# Altium PCB Proyecto_0-Buck_Up.PcbDoc (part 2 of 5)
Units mil, origin at the board's own origin, x right, y up, seen from the top; angles counter-clockwise.
Board outline 2559.06 x 1771.65 mil, 10 copper layers (TOP, GND[1], VDD[1], Signal[1], GND[2], VDD[2], Signal[2], GND[3], VDD[3], Bottom Layer), stack 79.883 mil thick; 191 components, 257 nets, 1114 pads, 633 vias.
Unrouted connection lines stored in the file: 488.
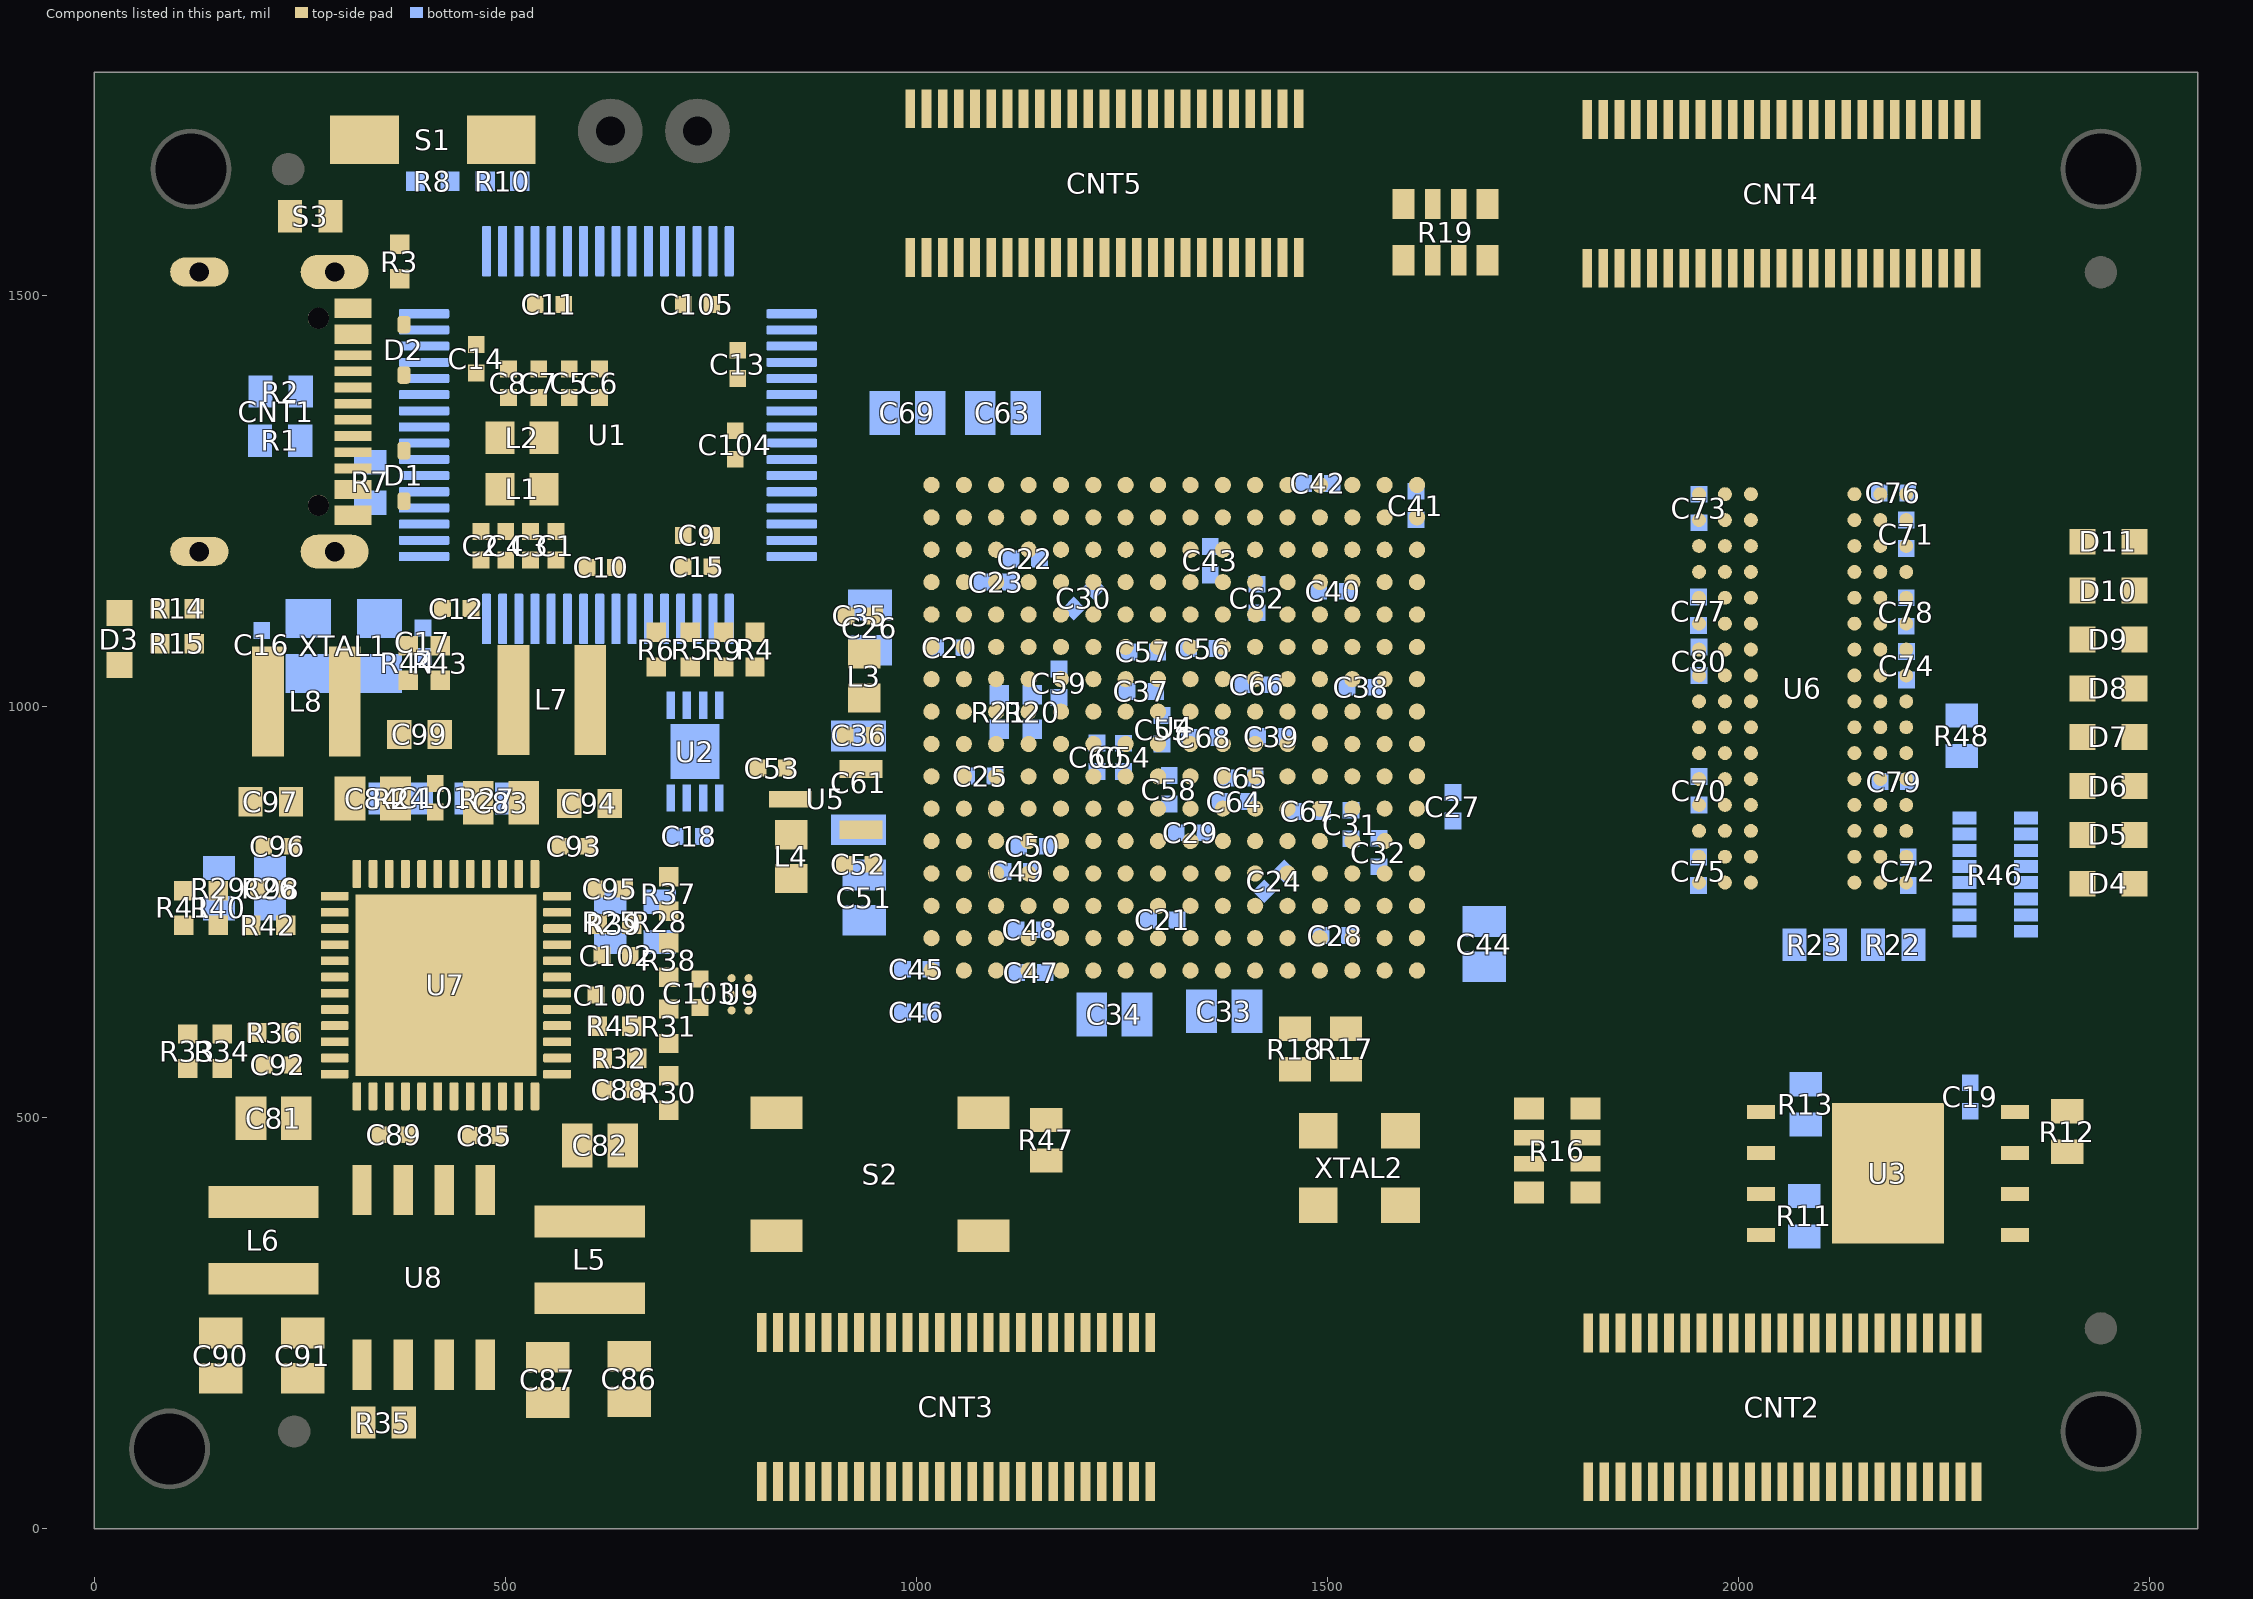
[diagram p10: the components of this part, seen from the top]

## Design rules (kind name [scope] priority, off if disabled: settings) (continued)
MaxMinImpedance "Schematic Impedance Constraint_92" [InNetClass('EEPROM_SIGNALS')] p12: minimum=45,00 maximum=55,00
MaxMinImpedance "Schematic Impedance Constraint_79" [InNetClass('FLASH_SPI')] p13: minimum=45,00 maximum=55,00
MaxMinImpedance "Schematic Impedance Constraint_7" [InNet('ADC_IN_P')] p14: minimum=95,00 maximum=105,0
MaxMinImpedance "Schematic Impedance Constraint_68" [InNet('L17_P')] p15: minimum=95,00 maximum=105,0
MaxMinImpedance "Schematic Impedance Constraint_67" [InNet('L14_P')] p16: minimum=95,00 maximum=105,0
MaxMinImpedance "Schematic Impedance Constraint_66" [InNet('L24_P')] p17: minimum=95,00 maximum=105,0
MaxMinImpedance "Schematic Impedance Constraint_65" [InNet('L17_N')] p18: minimum=95,00 maximum=105,0
MaxMinImpedance "Schematic Impedance Constraint_64" [InNet('L11_P')] p19: minimum=95,00 maximum=105,0
MaxMinImpedance "Schematic Impedance Constraint_63" [InNet('L21_P')] p20: minimum=95,00 maximum=105,0
MaxMinImpedance "Schematic Impedance Constraint_62" [InNet('L4_N')] p21: minimum=95,00 maximum=105,0
MaxMinImpedance "Schematic Impedance Constraint_61" [InNet('L4_P')] p22: minimum=95,00 maximum=105,0
MaxMinImpedance "Schematic Impedance Constraint_60" [InNet('L6_N')] p23: minimum=95,00 maximum=105,0
MaxMinImpedance "Schematic Impedance Constraint_59" [InNet('L6_P')] p24: minimum=95,00 maximum=105,0
MaxMinImpedance "Schematic Impedance Constraint_58" [InNet('CK_P')] p25: minimum=95,00 maximum=105,0
MaxMinImpedance "Schematic Impedance Constraint_57" [InNet('CK_N')] p26: minimum=95,00 maximum=105,0
MaxMinImpedance "Schematic Impedance Constraint_56" [InNet('AD4_P')] p27: minimum=95,00 maximum=105,0
MaxMinImpedance "Schematic Impedance Constraint_55" [InNet('AD4_N')] p28: minimum=95,00 maximum=105,0
MaxMinImpedance "Schematic Impedance Constraint_54" [InNet('L19_P')] p29: minimum=95,00 maximum=105,0
MaxMinImpedance "Schematic Impedance Constraint_53" [InNet('L11_N')] p30: minimum=95,00 maximum=105,0
MaxMinImpedance "Schematic Impedance Constraint_52" [InNet('L21_N')] p31: minimum=95,00 maximum=105,0
MaxMinImpedance "Schematic Impedance Constraint_51" [InNet('L19_N')] p32: minimum=95,00 maximum=105,0
MaxMinImpedance "Schematic Impedance Constraint_50" [InNet('LDQS_N')] p33: minimum=95,00 maximum=105,0
MaxMinImpedance "Schematic Impedance Constraint_49" [InNet('LDQS_P')] p34: minimum=95,00 maximum=105,0
MaxMinImpedance "Schematic Impedance Constraint_48" [InNet('L15_N')] p35: minimum=95,00 maximum=105,0
MaxMinImpedance "Schematic Impedance Constraint_46" [InNet('L12_P')] p36: minimum=95,00 maximum=105,0
MaxMinImpedance "Schematic Impedance Constraint_45" [InNet('L22_P')] p37: minimum=95,00 maximum=105,0
MaxMinImpedance "Schematic Impedance Constraint_44" [InNet('AD15_N')] p38: minimum=95,00 maximum=105,0
MaxMinImpedance "Schematic Impedance Constraint_43" [InNet('AD15_P')] p39: minimum=95,00 maximum=105,0
MaxMinImpedance "Schematic Impedance Constraint_42" [InNet('AD14_N')] p40: minimum=95,00 maximum=105,0
MaxMinImpedance "Schematic Impedance Constraint_41" [InNet('AD14_P')] p41: minimum=95,00 maximum=105,0
MaxMinImpedance "Schematic Impedance Constraint_40" [InNet('AD13_N')] p42: minimum=95,00 maximum=105,0
MaxMinImpedance "Schematic Impedance Constraint_39" [InNet('AD13_P')] p43: minimum=95,00 maximum=105,0
MaxMinImpedance "Schematic Impedance Constraint_38" [InNet('AD12_N')] p44: minimum=95,00 maximum=105,0
MaxMinImpedance "Schematic Impedance Constraint_37" [InNet('AD12_P')] p45: minimum=95,00 maximum=105,0
MaxMinImpedance "Schematic Impedance Constraint_36" [InNet('L15_P')] p46: minimum=95,00 maximum=105,0
MaxMinImpedance "Schematic Impedance Constraint_35" [InNet('ADC_IN_N')] p47: minimum=95,00 maximum=105,0
MaxMinImpedance "Schematic Impedance Constraint_34" [InNet('AD5_P')] p48: minimum=95,00 maximum=105,0
MaxMinImpedance "Schematic Impedance Constraint_33" [InNet('L12_N')] p49: minimum=95,00 maximum=105,0
MaxMinImpedance "Schematic Impedance Constraint_32" [InNet('L22_N')] p50: minimum=95,00 maximum=105,0
MaxMinImpedance "Schematic Impedance Constraint_31" [InNet('AD5_N')] p51: minimum=95,00 maximum=105,0
MaxMinImpedance "Schematic Impedance Constraint_30" [InNet('AD7_P')] p52: minimum=95,00 maximum=105,0
MaxMinImpedance "Schematic Impedance Constraint_29" [InNet('L16_P')] p53: minimum=95,00 maximum=105,0
MaxMinImpedance "Schematic Impedance Constraint_27" [InNet('L13_P')] p54: minimum=95,00 maximum=105,0
MaxMinImpedance "Schematic Impedance Constraint_26" [InNet('L23_P')] p55: minimum=95,00 maximum=105,0
MaxMinImpedance "Schematic Impedance Constraint_25" [InNet('L16_N')] p56: minimum=95,00 maximum=105,0
MaxMinImpedance "Schematic Impedance Constraint_23" [InNet('L20_P')] p57: minimum=95,00 maximum=105,0
MaxMinImpedance "Schematic Impedance Constraint_22" [InNet('AD6_P')] p58: minimum=95,00 maximum=105,0
MaxMinImpedance "Schematic Impedance Constraint_21" [InNet('AD7_N')] p59: minimum=95,00 maximum=105,0
MaxMinImpedance "Schematic Impedance Constraint_20" [InNet('L18_P')] p60: minimum=95,00 maximum=105,0
MaxMinImpedance "Schematic Impedance Constraint_19" [InNet('L20_N')] p61: minimum=95,00 maximum=105,0
MaxMinImpedance "Schematic Impedance Constraint_18" [InNet('L18_N')] p62: minimum=95,00 maximum=105,0
MaxMinImpedance "Schematic Impedance Constraint_17" [InNet('L14_N')] p63: minimum=95,00 maximum=105,0
MaxMinImpedance "Schematic Impedance Constraint_16" [InNet('L24_N')] p64: minimum=95,00 maximum=105,0
MaxMinImpedance "Schematic Impedance Constraint_15" [InNet('AD6_N')] p65: minimum=95,00 maximum=105,0
MaxMinImpedance "Schematic Impedance Constraint_14" [InNet('UDQS_N')] p66: minimum=95,00 maximum=105,0
MaxMinImpedance "Schematic Impedance Constraint_13" [InNet('UDQS_P')] p67: minimum=95,00 maximum=105,0
MaxMinImpedance "Schematic Impedance Constraint_12" [InNet('L13_N')] p68: minimum=95,00 maximum=105,0
MaxMinImpedance "Schematic Impedance Constraint_11" [InNet('L23_N')] p69: minimum=95,00 maximum=105,0
MaxMinImpedance "Schematic Impedance Constraint_10" [InNet('USB_DATA_N')] p70: minimum=85,00 maximum=95,00
MaxMinImpedance DDR_DATA(8-15) [InNetClass('DDR_DATA(8-15)')] p71: minimum=45,00 maximum=55,00
MaxMinImpedance DDR_DATA(0-7) [InNetClass('DDR_DATA(0-7)')] p72: minimum=45,00 maximum=55,00
MaxMinImpedance DDR_CTRL [InNetClass('DDR_CTRL')] p73: minimum=45,00 maximum=55,00
MaxMinImpedance DDR_ADD/CMD [InNetClass('DDR_ADD/CMD')] p74: minimum=45,00 maximum=55,00
MaximumViaCount "Schematic Maximum Via Count Constraint" [InNetClass('DDR_CTRL')] p1: limit=2
MaximumViaCount "Schematic Maximum Via Count Constraint_54" [InNetClass('DDR_DATA(8-15)')] p2: limit=2
MaximumViaCount "Schematic Maximum Via Count Constraint_49" [InNetClass('DDR_ADD/CMD')] p3: limit=2
MaximumViaCount "Schematic Maximum Via Count Constraint_47" [InNetClass('DDR_DATA(0-7)')] p4: limit=2
MaximumViaCount "Schematic Maximum Via Count Constraint_46" [InNetClass('FLASH_SPI')] p5: limit=2
MaximumViaCount "Schematic Maximum Via Count Constraint_10" [InNet('UDQS_N')] p6: limit=2
MaximumViaCount "Schematic Maximum Via Count Constraint_9" [InNet('UDQS_P')] p7: limit=2
MaximumViaCount "Schematic Maximum Via Count Constraint_6" [InNet('LDQS_N')] p8: limit=2
MaximumViaCount "Schematic Maximum Via Count Constraint_5" [InNet('LDQS_P')] p9: limit=2
MaximumViaCount "Schematic Maximum Via Count Constraint_3" [InNet('CK_P')] p10: limit=2
MaximumViaCount "Schematic Maximum Via Count Constraint_2" [InNet('CK_N')] p11: limit=2
MinimumAnnularRing [All] p1: minimumring=78.74
PasteMaskExpansion [All] p1: expansion=2
PermittedLayers "Schematic Permitted Layers Rule_5" [InNetClass('FLASH_SPI')] p1: toplayerpermitted=FALSE bottomlayerpermitted=FALSE
PlaneClearance [All] p1: clearance=6
PlaneConnect [All] p1: planeconnectstyle=Direct reliefexpansion=20 reliefentries=4 reliefconductorwidth=10 reliefairgap=10
PolygonConnect [All] p1: connectstyle=Direct reliefconductorwidth=5 reliefentries=4 polygonreliefangle="90 Angle" airgapwidth=0
RoomDefinition U_USB_Port_FTT [InComponentClass('U_USB_Port_FTT')] p1: confinementstyle=ConfineIn formatcopy=TRUE lockcomponents=FALSE outline -1181.1,-3149.61 818.9,-3149.61 818.9,-2149.61 -1181.1,-2149.61
RoomDefinition U_Power_Supply [InComponentClass('U_Power_Supply')] p2: confinementstyle=ConfineIn formatcopy=TRUE lockcomponents=FALSE outline -1181.1,-3149.61 818.9,-3149.61 818.9,-2149.61 -1181.1,-2149.61
RoomDefinition U_Leds_and_Buttons [InComponentClass('U_Leds_and_Buttons')] p3: confinementstyle=ConfineIn formatcopy=TRUE lockcomponents=FALSE outline -1181.1,-3149.61 818.9,-3149.61 818.9,-2149.61 -1181.1,-2149.61
RoomDefinition U_FPGA_Power&Ports [InComponentClass('U_FPGA_Power&Ports')] p4: confinementstyle=ConfineIn formatcopy=TRUE lockcomponents=FALSE outline -1181.1,-3149.61 818.9,-3149.61 818.9,-2149.61 -1181.1,-2149.61
RoomDefinition U_Flash_Memory [InComponentClass('U_Flash_Memory')] p5: confinementstyle=ConfineIn formatcopy=TRUE lockcomponents=FALSE outline -1181.1,-3149.61 818.9,-3149.61 818.9,-2149.61 -1181.1,-2149.61
RoomDefinition U_DDR_Memory [InComponentClass('U_DDR_Memory')] p6: confinementstyle=ConfineIn formatcopy=TRUE lockcomponents=FALSE outline -1181.1,-3149.61 818.9,-3149.61 818.9,-2149.61 -1181.1,-2149.61
RoomDefinition U_Bank_A-B-C-D [InComponentClass('U_Bank_A-B-C-D')] p7: confinementstyle=ConfineIn formatcopy=TRUE lockcomponents=FALSE outline -1181.1,-3149.61 818.9,-3149.61 818.9,-2149.61 -1181.1,-2149.61
RoutingCorners "Schematic Routing Corners_1" [InNet('USB_DATA_P')] p1: cornerstyle=45-Degree minsetback=100 maxsetback=100
RoutingCorners "Schematic Routing Corners" [InNet('USB_DATA_N')] p2: cornerstyle=45-Degree minsetback=100 maxsetback=100
RoutingCorners [All] p3: cornerstyle=45-Degree minsetback=100 maxsetback=100
RoutingPriority [InNetClass('ADD[14..0]')] p1: routingpriority=0
RoutingVias Signal_vias [All] p1: holewidth=7.87 width=11.81 viastyle="Through Hole" minholewidth=7.87 minwidth=11.81 maxholewidth=7.87 maxwidth=11.81
SolderMaskExpansion [All] p1: expansion=2 istentingtop=FALSE soldermaskfromhole=TRUE
UnpouredPolygon [All] p1: allowshelved=TRUE
Width "Schematic Width Constraint_2" [InNetClass('FPGA_CONFIG_SIGNALS_1')] p1: maxlimit=7 minlimit=6 preferedwidth=7 toplayer_minwidth=7 midlayer2_maxwidth=6 midlayer2_prefwidth=6 midlayer6_maxwidth=6 midlayer6_prefwidth=6 bottomlayer_minwidth=7 impedanceprofiledriven=TRUE impedanceprofileid={713964CD-7AE4-42B9-9263-9FE57CD8E892} impedanceprofilevalue=50.000000 minimp=50.000000 maximp=50.000000 favimp=50.000000
Width "Schematic Width Constraint_1" [InNetClass('FPGA_CONFIG_SIGNALS_2')] p2: maxlimit=7 minlimit=6 preferedwidth=7 toplayer_minwidth=7 midlayer2_maxwidth=6 midlayer2_prefwidth=6 midlayer6_maxwidth=6 midlayer6_prefwidth=6 bottomlayer_minwidth=7 impedanceprofiledriven=TRUE impedanceprofileid={713964CD-7AE4-42B9-9263-9FE57CD8E892} impedanceprofilevalue=50.000000 minimp=50.000000 maximp=50.000000 favimp=50.000000
Width "Schematic Width Constraint" [InNetClass('DDR_CTRL')] p3: maxlimit=7 minlimit=6 preferedwidth=7 toplayer_minwidth=7 midlayer2_maxwidth=6 midlayer2_prefwidth=6 midlayer6_maxwidth=6 midlayer6_prefwidth=6 bottomlayer_minwidth=7 impedanceprofiledriven=TRUE impedanceprofileid={713964CD-7AE4-42B9-9263-9FE57CD8E892} impedanceprofilevalue=50.000000 minimp=50.000000 maximp=50.000000 favimp=50.000000
Width LEDs [InNetClass('LEDs')] p4: maxlimit=6 minlimit=6 preferedwidth=6
Width Return_connection [InNetClass('Return_connection')] p5: maxlimit=17 minlimit=10 preferedwidth=15
Width Supply_Lines [InNetClass('Supply_Lines')] p6: maxlimit=15 minlimit=7 preferedwidth=10
Width DDR3_DATA_8-15 [InNetClass('DDR_DATA(8-15)')] p7: maxlimit=7 minlimit=6 preferedwidth=7 toplayer_minwidth=7 midlayer2_maxwidth=6 midlayer2_prefwidth=6 midlayer6_maxwidth=6 midlayer6_prefwidth=6 bottomlayer_minwidth=7 impedanceprofiledriven=TRUE impedanceprofileid={713964CD-7AE4-42B9-9263-9FE57CD8E892} impedanceprofilevalue=50.000000 minimp=50.000000 maximp=50.000000 favimp=50.000000
Width FPGA_BANK_14 [InNetClass('FPGA_BANK14')] p8: maxlimit=7 minlimit=6 preferedwidth=7 toplayer_minwidth=7 midlayer2_maxwidth=6 midlayer2_prefwidth=6 midlayer6_maxwidth=6 midlayer6_prefwidth=6 bottomlayer_minwidth=7 impedanceprofiledriven=TRUE impedanceprofileid={713964CD-7AE4-42B9-9263-9FE57CD8E892} impedanceprofilevalue=50.000000 minimp=50.000000 maximp=50.000000 favimp=50.000000
Width DDR3_ADD/CMD [InNetClass('DDR_ADD/CMD')] p9: maxlimit=7 minlimit=6 preferedwidth=7 toplayer_minwidth=7 midlayer2_maxwidth=6 midlayer2_prefwidth=6 midlayer6_maxwidth=6 midlayer6_prefwidth=6 bottomlayer_minwidth=7 impedanceprofiledriven=TRUE impedanceprofileid={713964CD-7AE4-42B9-9263-9FE57CD8E892} impedanceprofilevalue=50.000000 minimp=50.000000 maximp=50.000000 favimp=50.000000
Width FPGA_BANK_34 [InNetClass('FPGA_BANK34')] p10: maxlimit=7 minlimit=6 preferedwidth=7 toplayer_minwidth=7 midlayer2_maxwidth=6 midlayer2_prefwidth=6 midlayer6_maxwidth=6 midlayer6_prefwidth=6 bottomlayer_minwidth=7 impedanceprofiledriven=TRUE impedanceprofileid={713964CD-7AE4-42B9-9263-9FE57CD8E892} impedanceprofilevalue=50.000000 minimp=50.000000 maximp=50.000000 favimp=50.000000
Width DDR3_DATA_0-7 [InNetClass('DDR_DATA(0-7)')] p11: maxlimit=7 minlimit=6 preferedwidth=7 toplayer_minwidth=7 midlayer2_maxwidth=6 midlayer2_prefwidth=6 midlayer6_maxwidth=6 midlayer6_prefwidth=6 bottomlayer_minwidth=7 impedanceprofiledriven=TRUE impedanceprofileid={713964CD-7AE4-42B9-9263-9FE57CD8E892} impedanceprofilevalue=50.000000 minimp=50.000000 maximp=50.000000 favimp=50.000000
Width FPGA_UART [InNetClass('FPGA_UART_SIGNALS')] p12: maxlimit=7 minlimit=6 preferedwidth=7 toplayer_minwidth=7 midlayer2_maxwidth=6 midlayer2_prefwidth=6 midlayer6_maxwidth=6 midlayer6_prefwidth=6 bottomlayer_minwidth=7 impedanceprofiledriven=TRUE impedanceprofileid={713964CD-7AE4-42B9-9263-9FE57CD8E892} impedanceprofilevalue=50.000000 minimp=50.000000 maximp=50.000000 favimp=50.000000
Width FPGA_SPI [InNetClass('FLASH_SPI')] p13: maxlimit=7 minlimit=6 preferedwidth=7 toplayer_minwidth=7 midlayer2_maxwidth=6 midlayer2_prefwidth=6 midlayer6_maxwidth=6 midlayer6_prefwidth=6 bottomlayer_minwidth=7 impedanceprofiledriven=TRUE impedanceprofileid={713964CD-7AE4-42B9-9263-9FE57CD8E892} impedanceprofilevalue=50.000000 minimp=50.000000 maximp=50.000000 favimp=50.000000
Width EEPROM [InNetClass('EEPROM_SIGNALS')] p14: maxlimit=7 minlimit=6 preferedwidth=7 toplayer_minwidth=7 midlayer2_maxwidth=6 midlayer2_prefwidth=6 midlayer6_maxwidth=6 midlayer6_prefwidth=6 bottomlayer_minwidth=7 impedanceprofiledriven=TRUE impedanceprofileid={713964CD-7AE4-42B9-9263-9FE57CD8E892} impedanceprofilevalue=50.000000 minimp=50.000000 maximp=50.000000 favimp=50.000000
22 further rules are at their usual default settings.

## Classes and differential pairs
net class FPGA_CONFIG_SIGNALS_2: CONFIG_TCK_T CONFIG_TDI_T CONFIG_TMS_T
net class FPGA_CONFIG_SIGNALS_1: CONFIG_TCK CONFIG_TDI CONFIG_TDO CONFIG_TMS
differential pair class USB_DIFF: USB_DATA
differential pair class FPGA_PORT35_DIFF: AD4 AD5 AD6 AD7 AD12 AD13 AD14 AD15 L4 L6 L11 L12 L13 L14 L15 L16 L17 L18 L19 L20 L21 L22 L23 L24
differential pair class DDR_DATA_DIF: LDQS UDQS
differential pair class DDR_CK_DIFF: CK
differential pair class ADC_DIFF_UNFILTERED: IN_Filter_ADC
differential pair class ADC_DIFF_FILTERED: ADC_IN
net class FPGA_UART_SIGNALS: UART_RX UART_TX
net class FPGA_BANK34: L4 L5 M1 M2 M4 N1 N2 N3 N4 N5 P1 P3 P4 P5 R1 R2 R3 T2 T3 T4
net class FPGA_BANK14: E6 K5 N13 P13 R15 R16 T14 T15
net class FLASH_SPI: QSPI_\C\S\ QSPI_CCLK QSPI_DATA0 QSPI_DATA1 QSPI_DATA2 QSPI_DATA3
net class EEPROM_SIGNALS: EEPROM_CLK EEPROM_CS EEPROM_DATA
net class DDR_DATA(8-15): DQ8 DQ9 DQ10 DQ11 DQ12 DQ13 DQ14 DQ15
net class DDR_DATA(0-7): DQ0 DQ1 DQ2 DQ3 DQ4 DQ5 DQ6 DQ7
net class DDR_CTRL: C\S\ CKE D\D\R\_\R\E\S\E\T\ LDM ODT UDM
net class DDR_ADD/CMD: ADD0 ADD1 ADD2 ADD3 ADD4 ADD5 ADD6 ADD7 ADD8 ADD9 ADD10 ADD11 ADD12 ADD13 ADD14 BA0 BA1 BA2 C\A\S\ R\A\S\ W\E\
net class 100MHz: 100MHz
component class U_USB_Port_FTT: C1 C2 C3 C4 C5 C6 C7 C8 C9 C10 C11 C12 C13 C14 C15 C16 C17 C18 C104 C105 CNT1 D1 D2 L1 L2 R1 R2 R3 R4 R5 R6 R7 R8 R9 R10 S1 S3 U1 U2 XTAL1
component class U_Power_Supply: C81 C82 C83 C84 C85 C86 C87 C88 C89 C90 C91 C92 C93 C94 C95 C96 C97 C98 C99 C100 C101 C102 C103 L5 L6 L7 L8 R24 R25 R26 R27 R28 R29 R30 R31 R32 R33 R34 R35 R36 R37 R38 R39 R40 R41 R42 R43 R44 R45 U7 U8 U9
component class U_Leds_and_Buttons: D4 D5 D6 D7 D8 D9 D10 D11 R46 R47 S2
component class U_FPGA_Power&Ports: 2 C20 C21 C22 C23 C24 C25 C26 C27 C28 C29 C30 C31 C32 C33 C34 C35 C36 C37 C38 C39 C40 C41 C42 C43 C44 C45 C46 C47 C48 C49 C50 C51 C52 C53 C54 C55 C56 C57 C58 C59 C60 C61 C62 C63 C64 C65 C66 C67 C68 C69 D3 L3 L4 R14 R15 R16 R17 R18 R19 R20 R21 U4 U5 XTAL2
component class U_Flash_Memory: C19 R11 R12 R13 U3
component class U_DDR_Memory: C70 C71 C72 C73 C74 C75 C76 C77 C78 C79 C80 R22 R23 R48 U6
component class U_Bank_A-B-C-D: CNT2 CNT3 CNT4 CNT5 t
differential pair 12MHz_XTAL: +12MHz_XTAL_P -12MHz_XTAL_N
differential pair USB_DATA: +USB_DATA_P -USB_DATA_N
differential pair L24: +L24_P -L24_N
differential pair L23: +L23_P -L23_N
differential pair L22: +L22_P -L22_N
differential pair L21: +L21_P -L21_N
differential pair L20: +L20_P -L20_N
differential pair L19: +L19_P -L19_N
differential pair L18: +L18_P -L18_N
differential pair L17: +L17_P -L17_N
differential pair L16: +L16_P -L16_N
differential pair L15: +L15_P -L15_N
differential pair L14: +L14_P -L14_N
differential pair L13: +L13_P -L13_N
differential pair L12: +L12_P -L12_N
differential pair L11: +L11_P -L11_N
differential pair L6: +L6_P -L6_N
differential pair L4: +L4_P -L4_N
differential pair AD5: +AD5_P -AD5_N
differential pair AD4: +AD4_P -AD4_N
differential pair AD15: +AD15_P -AD15_N
differential pair AD14: +AD14_P -AD14_N
differential pair AD13: +AD13_P -AD13_N
differential pair AD12: +AD12_P -AD12_N
differential pair AD7: +AD7_P -AD7_N
differential pair AD6: +AD6_P -AD6_N
differential pair UDQS: +UDQS_P -UDQS_N
differential pair LDQS: +LDQS_P -LDQS_N
differential pair IN_Filter_ADC: +IN_Filter_ADC_P -IN_Filter_ADC_N
differential pair CK: +CK_P -CK_N
differential pair ADC_IN: +ADC_IN_P -ADC_IN_N

## Components (designator, comment, footprint, x,y, rotation, side; value= is the part's Value field where it differs from the comment)
C1 "0.47uF" CAP0402 561.76,1195.32 r90 top
C2 "0.47uF" CAP0402 470.76,1195.32 r90 top
C3 "4.7uF" CAP0402 530.76,1195.32 r90 top
C4 "4.7uF" CAP0402 500.76,1195.32 r90 top
C5 "0.47uF" CAP0402 578,1393 r270 top
C6 "0.47uF" CAP0402 615,1393 r270 top
C7 "4.7uF" CAP0402 541,1393 r270 top
C8 "4.7uF" CAP0402 504,1393 r270 top
C9 "3.3uF" CAP0402 734,1208 r180 top
C10 "0.1uF" CAP0402 617,1169 r0 top
C11 "0.1uF" CAP0402 554,1489 r180 top
C12 "0.47uF" CAP0402 441.02,1119.02 r0 top
C13 "0.1uF" CAP0402 783,1416 r270 top
C14 "0.1uF" CAP0402 465,1423 r270 top
C15 "0.1uF" CAP0402 734,1170 r0 top
C16 "27pF" CAP0402 204,1075 r270 bottom
C17 "27pF" CAP0402 400,1078 r90 bottom
C18 "0.47uF" CAP0402 724,842 r180 bottom
C19 "0.1uF" CAP0402 2282,525 r270 bottom
C20 "0.47uF" CAP0402 1040.73,1071.34 r180 bottom
C21 "0.47uF" CAP0402 1299.73,740.34 r180 bottom
C22 "0.47uF" CAP0402 1132.73,1179.34 r180 bottom
C23 "0.47uF" CAP0402 1097.35,1151.23 r0 bottom
C24 "4.7uF" CAP0402 1435.73,787.34 r225 bottom
C25 "4.7uF" CAP0402 1078.73,915.34 r180 bottom
C26 "47uF" CAP0805 943.73,1095.9 r270 bottom
C27 "0.47uF" CAP0402 1652.73,878.02 r270 bottom
C28 "0.47uF" CAP0402 1509.73,721.34 r0 bottom
C29 "0.47uF" CAP0402 1333.73,846.34 r180 bottom
C30 "0.47uF" CAP0402 1203.73,1131.34 r45 bottom
C31 "4.7uF" CAP0402 1528.73,856.34 r270 bottom
C32 "4.7uF" CAP0402 1562.73,822.34 r90 bottom
C33 "47uF" CAP0805 1374.73,629.34 r0 bottom
C34 "47uF" CAP0805 1241.17,625.34 r0 bottom
C35 "4.7uF" CAP0402 932,1110 r0 top
C36 "0.47uF" CAP0402 931,965 r0 top
C37 "0.1uF" CAP0402 1273.73,1018.34 r0 bottom
C38 "0.47uF" CAP0402 1541.41,1023.34 r0 bottom
C39 "0.47uF" CAP0402 1432.73,963.34 r0 bottom
C40 "0.47uF" CAP0402 1507,1140 r0 bottom
C41 "0.47uF" CAP0402 1607.73,1244.34 r90 bottom
C42 "4.7uF" CAP0402 1488.73,1271.34 r0 bottom
C43 "4.7uF" CAP0402 1357.73,1177.34 r90 bottom
C44 "47uF" CAP0805 1691,711 r90 bottom
C45 "0.47uF" CAP0402 1000.73,680.34 r0 bottom
C46 "0.47uF" CAP0402 1000.73,628.34 r0 bottom
C47 "0.47uF" CAP0402 1139.73,676.34 r180 bottom
C48 "0.47uF" CAP0402 1138.73,728.34 r180 bottom
C49 "4.7uF" CAP0402 1122.73,799.34 r180 bottom
C50 "4.7uF" CAP0402 1142,830 r180 bottom
C51 "47uF" CAP0805 937,767.44 r90 bottom
C52 "0.1uF" CAP0402 930.32,808 r0 top
C53 "10uF" CAP0402 825,925 r0 top
C54 "0.1uF" CAP0402 1252,938 r90 bottom
C55 "1nF" CAP0402 1299,971.68 r90 bottom
C56 "0.47uF" CAP0402 1348.73,1070.34 r0 bottom
C57 "0.47uF" CAP0402 1276.05,1066.34 r180 bottom
C58 "0.47uF" CAP0402 1307.73,898.67 r270 bottom
C59 "4.7uF" CAP0402 1173.73,1028.02 r90 bottom
C60 "4.7uF" CAP0402 1219.73,938.34 r90 bottom
C61 "100uF" CAP1206 930,907.09 r90 bottom
C62 "0.47uF" CAP0402 1414.73,1131.34 r90 bottom
C63 "47uF" CAP0805 1105.56,1357 r180 bottom
C64 "0.47uF" CAP0402 1387.05,884.34 r180 bottom
C65 "0.47uF" CAP0402 1395,913 r180 bottom
C66 "0.47uF" CAP0402 1414.73,1026.34 r180 bottom
C67 "4.7uF" CAP0402 1476.73,872.34 r180 bottom
C68 "4.7uF" CAP0402 1349.73,962.34 r0 bottom
C69 "47uF" CAP0805 989.44,1357 r0 bottom
C70 "0.47uF" CAP0402 1952.22,897.52 r270 bottom
C71 "0.47uF" CAP0402 2204.19,1209.33 r270 bottom
C72 "0.47uF" CAP0402 2206.7,799.67 r90 bottom
C73 "0.47uF" CAP0402 1952.22,1240.83 r90 bottom
C74 "0.47uF" CAP0402 2204.7,1049.67 r270 bottom
C75 "0.47uF" CAP0402 1951.7,799.67 r90 bottom
C76 "0.47uF" CAP0402 2188.7,1259.67 r180 bottom
C77 "0.47uF" CAP0402 1951.7,1115.67 r270 bottom
C78 "0.47uF" CAP0402 2204.19,1114.85 r90 bottom
C79 "1uF" CAP0402 2189.7,908.67 r180 bottom
C80 "10nF" CAP0402 1952.22,1055 r270 bottom
C81 "10uF" CAP0805 218.56,499 r0 top
C82 "10uF" CAP0805 615.44,466 r180 top
C83 "10uF" CAP0805 495,883 r180 top
C84 "10uF" CAP0805 339,888 r0 top
C85 "0.1uF" CAP0402 475,478 r0 top
C86 "47uF" CAP0805 651,182 r90 top
C87 "47uF" CAP0805 552,181 r90 top
C88 "2.7nF" CAP0402 639,534 r0 top value=2.2nF
C89 "0.1uF" CAP0402 365,479 r180 top
C90 "47uF" CAP0805 154,210.44 r90 top
C91 "47uF" CAP0805 254,210.44 r90 top
C92 "2.7nF" CAP0402 224,564 r180 top value=2.2nF
C93 "0.1uF" CAP0402 584,830 r0 top
C94 "22uF" CAP0603 602.61,882 r0 top
C95 "2.7nF" CAP0402 628,778 r0 top value=2.2nF
C96 "0.1uF" CAP0402 223.68,830 r180 top
C97 "22uF" CAP0603 215,884 r180 top
C98 "2.7nF" CAP0402 217,778 r180 top value=2.2nF
C99 "10uF" CAP0603 396,966 r0 top
C100 "1uF" CAP0402 628,649 r180 top
C101 "1uF" CAP0402 415,889 r270 top
C102 "1uF" CAP0402 635,697 r180 top
C103 "0.1uF" CAP0402 737,651 r90 top
C104 "0.1uF" CAP0402 780,1318 r270 top
C105 "0.1uF" CAP0402 734,1489 r0 top
CNT1 "USB-C" "USB-C 2.0 24 PINS (16+8 DUMMY)" 128.12,1358.37 r270 top
CNT2 "528850574" 528850574 2053.54,147.55 r0 top
CNT3 "528850574" 528850574 1048.48,148 r0 top
CNT4 "528850574" 528850574 2052.37,1623.45 r180 top
CNT5 "528850574" 528850574 1229.06,1636.45 r180 top
D1 "ESD321" SOD-523 377,1280.29 r270 top locked
D2 "ESD321" SOD-523 377,1433.71 r90 top locked
D3 "597-3305-607F" 0603_LED 31,1082 r270 top
D4 "597-3305-607F" 0603_LED 2450.15,784.32 r0 top
D5 "597-3305-607F" 0603_LED 2450.15,843.75 r0 top
D6 "597-3305-607F" 0603_LED 2450.15,903.18 r0 top
D7 "597-3305-607F" 0603_LED 2450.15,962.61 r0 top
D8 "597-3305-607F" 0603_LED 2450.15,1022.03 r0 top
D9 "597-3305-607F" 0603_LED 2450.15,1081.46 r0 top
D10 "597-3305-607F" 0603_LED 2450.15,1140.89 r0 top
D11 "597-3305-607F" 0603_LED 2450.15,1200.32 r0 top
L1 "HZ0603C651R-10" Fer0603 520.57,1264 r180 top
L2 "HZ0603C651R-10" Fer0603 520.57,1327 r180 top
L3 "HZ0603C651R-10" Fer0603 937,1037 r270 top
L4 "HZ0603C651R-10" Fer0603 848,817.43 r90 top
L5 "3.3uH" IND1616-2.1mm 603,327 r270 top
L6 "1.5uH" IND1616-2.1mm 206,350.65 r270 top
L7 "6.8uH" IND1616-3.1mm 557,1008 r0 top
L8 "3.3uH" IND1616-2.1mm 258.35,1006.26 r180 top
R1 "5.1 K" RES0603 226.39,1323 r180 bottom value="47 K"
R2 "5.1 K" RES0603 227,1383 r180 bottom value="47 K"
R3 "10k" RES0402 372,1541 r270 top
R4 "10k" RES0402 804,1069 r90 top
R5 "10k" RES0402 725,1069 r90 top
R6 "10k" RES0402 684,1069 r90 top
R7 "12 K" RES0603 336,1272.39 r90 bottom
R8 "4.7k" RES0402 412,1639 r180 bottom
R9 "2k" RES0402 766,1069 r90 top
R10 "10k" RES0402 497,1639 r180 bottom
R11 "4.7 k" RES0603 2080,380 r90 bottom
R12 "4.7 k" RES0603 2400,483 r270 top
R13 "4.7 k" RES0603 2082,516 r270 bottom
R14 "200" RES0402 101,1119 r180 top
R15 "165" RES0402 101,1076 r180 top
R16 "100" ArrayResistor-1206 1778.75,458.75 r180 top value="100 Ohms"
R17 "4.7 k" RES0603 1522.73,583.34 r90 top
R18 "4.7 k" RES0603 1460.73,583.34 r90 top
R19 "100" ArrayResistor-1206 1643,1578 r90 top value="100 Ohms"
R20 "78.7" RES0402 1141,993 r90 bottom value=78.8
R21 "78.7" RES0402 1101,993 r90 bottom value=78.8
R22 "1K" RES0603 2188.3,710 r0 bottom
R23 "1K" RES0603 2093,710 r0 bottom
R24 "6.65 K" RES0603 373,888 r180 bottom
R25 "1K" RES0603 628,738 r270 bottom
R26 "9.31 K" RES0603 214,779 r90 bottom value=9.31k
R27 "12.7 K" RES0603 478,888 r180 bottom
R28 "10 K" RES0603 688,738 r90 bottom
R29 "10 K" RES0603 152,779 r270 bottom
R30 "31.6k" RES0402 699,530 r270 top
R31 "10.2k" RES0402 699,611 r90 top
R32 "15k" RES0402 639,572 r180 top
R33 "2.49k" RES0402 114,580.62 r270 top
R34 "10k" RES0402 156,580.62 r270 top
R35 "47 K" RES0603 352,129 r180 top
R36 "10k" RES0402 219,603.39 r0 top
R37 "12.7k" RES0402 699,772 r90 top
R38 "10.2k" RES0402 699,691.57 r270 top
R39 "10k" RES0402 633,735 r180 top
R40 "6.65k" RES0402 151,755 r90 top
R41 "10k" RES0402 109,754.91 r90 top
R42 "10k" RES0402 212,734 r0 top
R43 "4.99k" RES0402 421,1052.62 r270 top
R44 "1.91k" RES0402 382,1052.62 r270 top
R45 "31.6k" RES0402 633,611 r180 top
R46 "330" ArrayResistor-1506 2312.4,795.47 r0 bottom value="330 Ohms"
R47 "10 K" RES0603 1158,472.39 r270 top
R48 "240" RES0603 2271.7,964.28 r90 bottom
S1 "SK34A" "Diode SMA-2" 412.27,1689 r180 top
S2 "PTS526 SK15 SMTR2 LFS" "Push Button" 956,431 r0 top
S3 "PTSLR06038V050" PTSLR0603 263,1596 r0 top
U1 "FT2232HL" LQPF-64 625,1330 r0 bottom locked
U2 "93C56B" DFN-8 731,945 r270 bottom
U3 "W25N04KVZEIR" WSON-8 2182,432 r0 top
U4 "XC7A35TFTG256" BGA-256 1313.89,974.06 r0 top locked
U5 "REF3012" SOT23-3 890,887 r180 top
U6 "AS4C256M16D3LC" FBGA-96 2078.21,1021.93 r0 top
U7 "ADP5052" LFCSP-48 428,661 r270 top locked
U8 "FDS8949" SOIC8 401,305.7 r90 top locked
U9 "BD2204GUL" "UFBGA-6 (VCSP50L1)" 786,650 r90 top
XTAL1 "12 MHz" XTAL_ABM8G 303.97,1073.45 r0 bottom
XTAL2 "ASFLMB-100.000MHZ-LC-T" XTAL_ASFLMB 1539,438.72 r180 top

## Footprints (in the part's own frame and the unit in brackets; to place one, negate y for a bottom-side part, rotate by r counter-clockwise, add the part's x,y. Pads: shape width x height; smd on the part's side, far side on the other; paste and mask are expansions set on the pad)
0603_LED [mm] "Led 0805"
  rect 0.8x0.8 smd: A(-0.8,0) C(0.8,0)
  silkscreen extent -1.8,-0.4 0.08,0.4, body extent -0.8,-0.4 0.8,0.4, height 0.8
528850574 [mm] "Connector 50 pins"
  rect 0.3x1.2 smd: 1(-6,2.3) 2(-5.5,2.3) 3(-5,2.3) 4(-4.5,2.3) 5(-4,2.3) 6(-3.5,2.3) 7(-3,2.3) 8(-2.5,2.3) 9(-2,2.3) 10(-1.5,2.3) 11(-1,2.3) 12(-0.5,2.3) 13(0,2.3) 14(0.5,2.3) 15(1,2.3) 16(1.5,2.3) 17(2,2.3) 18(2.5,2.3) 19(3,2.3) 20(3.5,2.3) 21(4,2.3) 22(4.5,2.3) 23(5,2.3) 24(5.5,2.3) 25(6,2.3) 26(6,-2.3) 27(5.5,-2.3) 28(5,-2.3) 29(4.5,-2.3) 30(4,-2.3) 31(3.5,-2.3) 32(3,-2.3) 33(2.5,-2.3) 34(2,-2.3) 35(1.5,-2.3) 36(1,-2.3) 37(0.5,-2.3) 38(0,-2.3) 39(-0.5,-2.3) 40(-1,-2.3) 41(-1.5,-2.3) 42(-2,-2.3) 43(-2.5,-2.3) 44(-3,-2.3) 45(-3.5,-2.3) 46(-4,-2.3) 47(-4.5,-2.3) 48(-5,-2.3) 49(-5.5,-2.3) 50(-6,-2.3)
  silkscreen extent -7.7,-2.8 7.67,3.61, body extent -7.55,-2.65 7.55,2.65, height 2.1
ArrayResistor-1206 [mm]
  rect 0.93x0.68 smd: 1(-0.895,1.275) 4(-0.895,-1.325) 5(0.845,-1.325) 8(0.845,1.275)
  rect 0.93x0.48 smd: 2(-0.895,0.375) 3(-0.895,-0.425) 6(0.845,-0.425) 7(0.845,0.375)
  silkscreen extent -2.03,-1.88 0.85,1.83, body extent -0.83,-1.63 0.77,1.57, height 0.6
ArrayResistor-1506 [mm]
  rect 0.75x0.4 smd: 1(-0.95,1.75) 2(-0.95,1.25) 3(-0.95,0.75) 4(-0.95,0.25) 5(-0.95,-0.25) 6(-0.95,-0.75) 7(-0.95,-1.25) 8(-0.95,-1.75) 9(0.95,-1.75) 10(0.95,-1.25) 11(0.95,-0.75) 12(0.95,-0.25) 13(0.95,0.25) 14(0.95,0.75) 15(0.95,1.25) 16(0.95,1.75)
  silkscreen extent -1.42,-2.13 0.93,2.26, body extent -0.8,-1.9 0.8,1.9, height 0.55
BGA-256 [mm] "BGA-256"
  round 0.5 smd: A1(-7.5,7.5) A2(-6.5,7.5) A3(-5.5,7.5) A4(-4.5,7.5) A5(-3.5,7.5) A6(-2.5,7.5) A7(-1.5,7.5) A8(-0.5,7.5) A9(0.5,7.5) A10(1.5,7.5) A11(2.5,7.5) A12(3.5,7.5) A13(4.5,7.5) A14(5.5,7.5) A15(6.5,7.5) A16(7.5,7.5) B1(-7.5,6.5) B2(-6.5,6.5) B3(-5.5,6.5) B4(-4.5,6.5) B5(-3.5,6.5) B6(-2.5,6.5) B7(-1.5,6.5) B8(-0.5,6.5) B9(0.5,6.5) B10(1.5,6.5) B11(2.5,6.5) B12(3.5,6.5) B13(4.5,6.5) B14(5.5,6.5) B15(6.5,6.5) B16(7.5,6.5) C1(-7.5,5.5) C2(-6.5,5.5) C3(-5.5,5.5) C4(-4.5,5.5) C5(-3.5,5.5) C6(-2.5,5.5) C7(-1.5,5.5) C8(-0.5,5.5) C9(0.5,5.5) C10(1.5,5.5) C11(2.5,5.5) C12(3.5,5.5) C13(4.5,5.5) C14(5.5,5.5) C15(6.5,5.5) C16(7.5,5.5) D1(-7.5,4.5) D2(-6.5,4.5) D3(-5.5,4.5) D4(-4.5,4.5) D5(-3.5,4.5) D6(-2.5,4.5) D7(-1.5,4.5) D8(-0.5,4.5) D9(0.5,4.5) D10(1.5,4.5) D11(2.5,4.5) D12(3.5,4.5) D13(4.5,4.5) D14(5.5,4.5) D15(6.5,4.5) D16(7.5,4.5) E1(-7.5,3.5) E2(-6.5,3.5) E3(-5.5,3.5) E4(-4.5,3.5) E5(-3.5,3.5) E6(-2.5,3.5) E7(-1.5,3.5) E8(-0.5,3.5) E9(0.5,3.5) E10(1.5,3.5) E11(2.5,3.5) E12(3.5,3.5) E13(4.5,3.5) E14(5.5,3.5) E15(6.5,3.5) E16(7.5,3.5) F1(-7.5,2.5) F2(-6.5,2.5) F3(-5.5,2.5) F4(-4.5,2.5) F5(-3.5,2.5) F6(-2.5,2.5) F7(-1.5,2.5) F8(-0.5,2.5) F9(0.5,2.5) F10(1.5,2.5) F11(2.5,2.5) F12(3.5,2.5) F13(4.5,2.5) F14(5.5,2.5) F15(6.5,2.5) F16(7.5,2.5) G1(-7.5,1.5) G2(-6.5,1.5) G3(-5.5,1.5) G4(-4.5,1.5) G5(-3.5,1.5) G6(-2.5,1.5) G7(-1.5,1.5) G8(-0.5,1.5) G9(0.5,1.5) G10(1.5,1.5) G11(2.5,1.5) G12(3.5,1.5) G13(4.5,1.5) G14(5.5,1.5) G15(6.5,1.5) G16(7.5,1.5) H1(-7.5,0.5) H2(-6.5,0.5) H3(-5.5,0.5) H4(-4.5,0.5) H5(-3.5,0.5) H6(-2.5,0.5) H7(-1.5,0.5) H8(-0.5,0.5) H9(0.5,0.5) H10(1.5,0.5) H11(2.5,0.5) H12(3.5,0.5) H13(4.5,0.5) H14(5.5,0.5) H15(6.5,0.5) H16(7.5,0.5) J1(-7.5,-0.5) J2(-6.5,-0.5) J3(-5.5,-0.5) J4(-4.5,-0.5) J5(-3.5,-0.5) J6(-2.5,-0.5) J7(-1.5,-0.5) J8(-0.5,-0.5) J9(0.5,-0.5) J10(1.5,-0.5) J11(2.5,-0.5) J12(3.5,-0.5) J13(4.5,-0.5) J14(5.5,-0.5) J15(6.5,-0.5) J16(7.5,-0.5) K1(-7.5,-1.5) K2(-6.5,-1.5) K3(-5.5,-1.5) K4(-4.5,-1.5) K5(-3.5,-1.5) K6(-2.5,-1.5) K7(-1.5,-1.5) K8(-0.5,-1.5) K9(0.5,-1.5) K10(1.5,-1.5) K11(2.5,-1.5) K12(3.5,-1.5) K13(4.5,-1.5) K14(5.5,-1.5) K15(6.5,-1.5) K16(7.5,-1.5) L1(-7.5,-2.5) L2(-6.5,-2.5) L3(-5.5,-2.5) L4(-4.5,-2.5) L5(-3.5,-2.5) L6(-2.5,-2.5) L7(-1.5,-2.5) L8(-0.5,-2.5) L9(0.5,-2.5) L10(1.5,-2.5) L11(2.5,-2.5) L12(3.5,-2.5) L13(4.5,-2.5) L14(5.5,-2.5) L15(6.5,-2.5) L16(7.5,-2.5) M1(-7.5,-3.5) M2(-6.5,-3.5) M3(-5.5,-3.5) M4(-4.5,-3.5) M5(-3.5,-3.5) M6(-2.5,-3.5) M7(-1.5,-3.5) M8(-0.5,-3.5) M9(0.5,-3.5) M10(1.5,-3.5) M11(2.5,-3.5) M12(3.5,-3.5) M13(4.5,-3.5) M14(5.5,-3.5) M15(6.5,-3.5) M16(7.5,-3.5) N1(-7.5,-4.5) N2(-6.5,-4.5) N3(-5.5,-4.5) N4(-4.5,-4.5) N5(-3.5,-4.5) N6(-2.5,-4.5) N7(-1.5,-4.5) N8(-0.5,-4.5) N9(0.5,-4.5) N10(1.5,-4.5) N11(2.5,-4.5) N12(3.5,-4.5) N13(4.5,-4.5) N14(5.5,-4.5) N15(6.5,-4.5) N16(7.5,-4.5) P1(-7.5,-5.5) P2(-6.5,-5.5) P3(-5.5,-5.5) P4(-4.5,-5.5) P5(-3.5,-5.5) P6(-2.5,-5.5) P7(-1.5,-5.5) P8(-0.5,-5.5) P9(0.5,-5.5) P10(1.5,-5.5) P11(2.5,-5.5) P12(3.5,-5.5) P13(4.5,-5.5) P14(5.5,-5.5) P15(6.5,-5.5) P16(7.5,-5.5) R1(-7.5,-6.5) R2(-6.5,-6.5) R3(-5.5,-6.5) R4(-4.5,-6.5) R5(-3.5,-6.5) R6(-2.5,-6.5) R7(-1.5,-6.5) R8(-0.5,-6.5) R9(0.5,-6.5) R10(1.5,-6.5) R11(2.5,-6.5) R12(3.5,-6.5) R13(4.5,-6.5) R14(5.5,-6.5) R15(6.5,-6.5) R16(7.5,-6.5) T1(-7.5,-7.5) T2(-6.5,-7.5) T3(-5.5,-7.5) T4(-4.5,-7.5) T5(-3.5,-7.5) T6(-2.5,-7.5) T7(-1.5,-7.5) T8(-0.5,-7.5) T9(0.5,-7.5) T10(1.5,-7.5) T11(2.5,-7.5) T12(3.5,-7.5) T13(4.5,-7.5) T14(5.5,-7.5) T15(6.5,-7.5) T16(7.5,-7.5)
  silkscreen extent -9.1,-8.5 8.5,8.5, body extent -8.51,-8.49 8.49,8.51, height 1.4
CAP0402 [mm]
  rect 0.52x0.52 smd: 1(-0.44,0) 2(0.44,0)
  silkscreen extent -0.86,-0.43 0.86,0.43, body extent -0.5,-0.26 0.5,0.26, height 0.52
CAP0603 [mm]
  rect 0.75x0.9 smd: 1(-0.625,0) 2(0.625,0)
  silkscreen extent -1.17,-0.61 1.17,0.61, body extent -0.8,-0.41 0.8,0.41, height 0.82
CAP0805 [mm]
  rect 0.95x1.35 smd: 1(-0.7,0) 2(0.7,0)
  silkscreen extent -1.35,-0.84 1.35,0.84, body extent -1,-0.64 1,0.64, height 1.27
CAP1206 [mm]
  rect 0.95x1.7 smd: 1(-1.45,0) 2(1.45,0)
  silkscreen extent -2.08,-1.02 2.08,1.02, body extent -1.6,-0.8 1.6,0.8, height 0.8
DFN-8 [mm]
  rect 0.84x0.26 smd: 1(-1.435,0.75) 2(-1.435,0.25) 3(-1.435,-0.25) 4(-1.435,-0.75) 5(1.435,-0.75) 6(1.435,-0.25) 7(1.435,0.25) 8(1.435,0.75)
  rect 1.7x1.525 smd paste-0.312: 5(0,0)
  silkscreen extent -2.63,-1.2 1.5,1.2, body extent -1.52,-1 1.53,1, height 1
"Diode SMA-2" [mm]
  rect 2.12x1.5 smd: A(2.115,0) C(-2.115,0)
  silkscreen extent -4.1,-1.28 2.16,1.28, body extent -2.57,-1.28 2.57,1.28, height 2.5
FBGA-96 [mm]
  round 0.43 smd: A1(-3.2,6) A2(-2.4,6) A3(-1.6,6) A7(1.6,6) A8(2.4,6) A9(3.2,6) B1(-3.2,5.2) B2(-2.4,5.2) B3(-1.6,5.2) B7(1.6,5.2) B8(2.4,5.2) B9(3.2,5.2) C1(-3.2,4.4) C2(-2.4,4.4) C3(-1.6,4.4) C7(1.6,4.4) C8(2.4,4.4) C9(3.2,4.4) D1(-3.2,3.6) D2(-2.4,3.6) D3(-1.6,3.6) D7(1.6,3.6) D8(2.4,3.6) D9(3.2,3.6) E1(-3.2,2.8) E2(-2.4,2.8) E3(-1.6,2.8) E7(1.6,2.8) E8(2.4,2.8) E9(3.2,2.8) F1(-3.2,2) F2(-2.4,2) F3(-1.6,2) F7(1.6,2) F8(2.4,2) F9(3.2,2) G1(-3.2,1.2) G2(-2.4,1.2) G3(-1.6,1.2) G7(1.6,1.2) G8(2.4,1.2) G9(3.2,1.2) H1(-3.2,0.4) H2(-2.4,0.4) H3(-1.6,0.4) H7(1.6,0.4) H8(2.4,0.4) H9(3.2,0.4) J1(-3.2,-0.4) J2(-2.4,-0.4) J3(-1.6,-0.4) J7(1.6,-0.4) J8(2.4,-0.4) J9(3.2,-0.4) K1(-3.2,-1.2) K2(-2.4,-1.2) K3(-1.6,-1.2) K7(1.6,-1.2) K8(2.4,-1.2) K9(3.2,-1.2) L1(-3.2,-2) L2(-2.4,-2) L3(-1.6,-2) L7(1.6,-2) L8(2.4,-2) L9(3.2,-2) M1(-3.2,-2.8) M2(-2.4,-2.8) M3(-1.6,-2.8) M7(1.6,-2.8) M8(2.4,-2.8) M9(3.2,-2.8) N1(-3.2,-3.6) N2(-2.4,-3.6) N3(-1.6,-3.6) N7(1.6,-3.6) N8(2.4,-3.6) N9(3.2,-3.6) P1(-3.2,-4.4) P2(-2.4,-4.4) P3(-1.6,-4.4) P7(1.6,-4.4) P8(2.4,-4.4) P9(3.2,-4.4) R1(-3.2,-5.2) R2(-2.4,-5.2) R3(-1.6,-5.2) R7(1.6,-5.2) R8(2.4,-5.2) R9(3.2,-5.2) T1(-3.2,-6) T2(-2.4,-6) T3(-1.6,-6) T7(1.6,-6) T8(2.4,-6) T9(3.2,-6)
  silkscreen extent -4.93,-7 4.44,7, body extent -4.5,-7 4.5,7, height 1.08
Fer0603 [mm]
  rect 0.9x1 smd: 1(-0.675,0) 2(0.675,0)
  silkscreen extent -1.4,-0.7 1.4,0.7, body extent -0.8,-0.41 0.8,0.41, height 0.82
IND1616-2.1mm [mm]
  rect 0.98x3.4 smd: 1(-1.185,0) 2(1.185,0)
  silkscreen extent -2.6,-2.06 1.98,1.96, body extent -2.02,-2.04 1.97,1.94, height 2.08
IND1616-3.1mm [mm]
  rect 0.98x3.4 smd: 1(-1.185,0) 2(1.185,0)
  silkscreen extent -2.6,-2 2,2, body extent -2,-2 2,2, height 3.04
LFCSP-48 [mm]
  rrect25% 0.86x0.27 smd: 1(-3.435,2.75) 2(-3.435,2.25) 3(-3.435,1.75) 4(-3.435,1.25) 5(-3.435,0.75) 6(-3.435,0.25) 7(-3.435,-0.25) 8(-3.435,-0.75) 9(-3.435,-1.25) 10(-3.435,-1.75) 11(-3.435,-2.25) 12(-3.435,-2.75) 25(3.435,-2.75) 26(3.435,-2.25) 27(3.435,-1.75) 28(3.435,-1.25) 29(3.435,-0.75) 30(3.435,-0.25) 31(3.435,0.25) 32(3.435,0.75) 33(3.435,1.25) 34(3.435,1.75) 35(3.435,2.25) 36(3.435,2.75)
  rrect25% 0.27x0.86 smd: 13(-2.75,-3.435) 14(-2.25,-3.435) 15(-1.75,-3.435) 16(-1.25,-3.435) 17(-0.75,-3.435) 18(-0.25,-3.435) 19(0.25,-3.435) 20(0.75,-3.435) 21(1.25,-3.435) 22(1.75,-3.435) 23(2.25,-3.435) 24(2.75,-3.435) 37(2.75,3.435) 38(2.25,3.435) 39(1.75,3.435) 40(1.25,3.435) 41(0.75,3.435) 42(0.25,3.435) 43(-0.25,3.435) 44(-0.75,3.435) 45(-1.25,3.435) 46(-1.75,3.435) 47(-2.25,3.435) 48(-2.75,3.435)
  rect 5.6x5.6 smd paste-4: 49(0,0)
  silkscreen extent -4.39,-3.55 3.55,3.55, body extent -3.5,-3.5 3.5,3.5, height 0.8
LQPF-64 [mm]
  rrect25% 1.56x0.28 smd: 1(-5.68,3.75) 2(-5.68,3.25) 3(-5.68,2.75) 4(-5.68,2.25) 5(-5.68,1.75) 6(-5.68,1.25) 7(-5.68,0.75) 8(-5.68,0.25) 9(-5.68,-0.25) 10(-5.68,-0.75) 11(-5.68,-1.25) 12(-5.68,-1.75) 13(-5.68,-2.25) 14(-5.68,-2.75) 15(-5.68,-3.25) 16(-5.68,-3.75) 33(5.68,-3.75) 34(5.68,-3.25) 35(5.68,-2.75) 36(5.68,-2.25) 37(5.68,-1.75) 38(5.68,-1.25) 39(5.68,-0.75) 40(5.68,-0.25) 41(5.68,0.25) 42(5.68,0.75) 43(5.68,1.25) 44(5.68,1.75) 45(5.68,2.25) 46(5.68,2.75) 47(5.68,3.25) 48(5.68,3.75)
  rrect25% 0.28x1.56 smd: 17(-3.75,-5.68) 18(-3.25,-5.68) 19(-2.75,-5.68) 20(-2.25,-5.68) 21(-1.75,-5.68) 22(-1.25,-5.68) 23(-0.75,-5.68) 24(-0.25,-5.68) 25(0.25,-5.68) 26(0.75,-5.68) 27(1.25,-5.68) 28(1.75,-5.68) 29(2.25,-5.68) 30(2.75,-5.68) 31(3.25,-5.68) 32(3.75,-5.68) 49(3.75,5.68) 50(3.25,5.68) 51(2.75,5.68) 52(2.25,5.68) 53(1.75,5.68) 54(1.25,5.68) 55(0.75,5.68) 56(0.25,5.68) 57(-0.25,5.68) 58(-0.75,5.68) 59(-1.25,5.68) 60(-1.75,5.68) 61(-2.25,5.68) 62(-2.75,5.68) 63(-3.25,5.68) 64(-3.75,5.68)
  silkscreen extent -7.44,-5.05 5.05,5.05, body extent -6,-6 6,6, height 1.61
PTSLR0603 [mm]
  rect 0.75x1 smd: 1(-0.625,0) 2(0.625,0)
  silkscreen extent -1.17,-0.66 1.17,0.66, body extent -0.8,-0.39 0.8,0.41, height 0.45
"Push Button" [mm]
  rect 1.6x1 smd: 1(-3.2,1.9) 2(3.2,1.9) 3(-3.2,-1.9) 4(3.2,-1.9)
  silkscreen extent -2.55,-2.55 2.55,2.55, body extent -3.2,-2.55 3.2,2.55, height 1.6
RES0402 [mm]
  rect 0.6x0.6 smd: 1(-0.533,0) 2(0.533,0)
  silkscreen extent -0.99,-0.46 0.99,0.46, body extent -0.5,-0.25 0.5,0.25, height 0.35
RES0603 [mm]
  rect 0.75x1 smd: 1(-0.625,0) 2(0.625,0)
  silkscreen extent -1.17,-0.66 1.17,0.66, body extent -0.8,-0.39 0.8,0.41, height 0.45
SOD-523 [mm]
  rrect50% 0.54x0.4 smd: A(0.78,0) K(-0.78,0)
  silkscreen extent -1.8,-0.52 0.63,0.52, body extent -0.8,-0.4 0.8,0.4, height 0.65
SOIC8 [mm]
  rect 1.55x0.6 smd: 1(-2.7,1.905) 2(-2.7,0.635) 3(-2.7,-0.635) 4(-2.7,-1.905) 5(2.7,-1.905) 6(2.7,-0.635) 7(2.7,0.635) 8(2.7,1.905)
  silkscreen extent -2.82,-2.5 1.6,2.88, body extent -3,-2.5 3,2.5, height 1.75
SOT23-3 [mil]
  rect 52x22 smd: 1(-43,37) 2(-43,-37)
  rect 52x20 smd: 3(43,0)
  silkscreen extent -28,-60 28,60, body extent -47,-57 47,57, height 37
"UFBGA-6 (VCSP50L1)" [mm]
  round 0.25 smd mask+0.05: A1(-0.501,0.265) A2(-0.004,0.265) A3(0.494,0.265) B1(-0.501,-0.26) B2(-0.004,-0.26) B3(0.494,-0.26)
  silkscreen extent -1.19,-0.62 0.84,0.62, body extent -0.75,-0.5 0.75,0.5, height 0.54
"USB-C 2.0 24 PINS (16+8 DUMMY)" [mm]
  rect 0.6x1.14 smd: A1_B12(-3.2,4.75) A4_B9(-2.4,4.75) B1_A12(3.2,4.75) B4_A9(2.4,4.75)
  rect 0.3x1.14 smd: A5(-1.25,4.75) A6(-0.25,4.75) A7(0.25,4.75) A8(1.25,4.75) B5(1.75,4.75) B6(0.75,4.75) B7(-0.75,4.75) B8(-1.75,4.75)
  oval 1.05x2.1 hole 0.6 slot 1.7 at 90 deg: SH1(-4.32,4.18) SH2(4.32,4.18)
  oval 0.9x1.8 hole 0.6 slot 1.4 at 90 deg: SH3(-4.32,0) SH4(4.32,0)
  round 0.65 hole 0.65 unplated: ""(-2.89,3.68) ""(2.89,3.68)
  silkscreen extent -4.47,-2.6 4.47,2.81, body extent -4.44,-2.57 4.5,5.03, height 3.25
WSON-8 [mil]
  rect 34x17 smd paste+0 mask+0: 1(-154.5,75) 2(-154.5,25) 3(-154.5,-25) 4(-154.5,-75) 5(154.5,-75) 6(154.5,-25) 7(154.5,25) 8(154.5,75)
  rect 136x171 smd paste+0 mask+0: 9(0,0)
  silkscreen extent -227,-125 164,125, body extent -158,-118 158,118, height 30
XTAL_ABM8G [mm] "XTAL"
  rect 1.4x1.2 smd: 1(-1.1,0.85) 2(-1.1,-0.85) 2(1.1,0.85) 3(1.1,-0.85)
  silkscreen extent -1.2,-1.25 0.08,2.3, body extent -1.63,-1.27 1.57,1.23, height 1
XTAL_ASFLMB [mm]
  rect 1.2x1.1 smd: 1(1.27,1.15) 2(-1.27,1.15) 3(-1.27,-1.15) 4(1.27,-1.15)
  silkscreen extent -2.5,-1.6 2.5,2.35, body extent -2.47,-1.57 2.53,1.63, height 0.86